# KiCad board rabbit_mask_capacitors.kicad_pcb (continued)
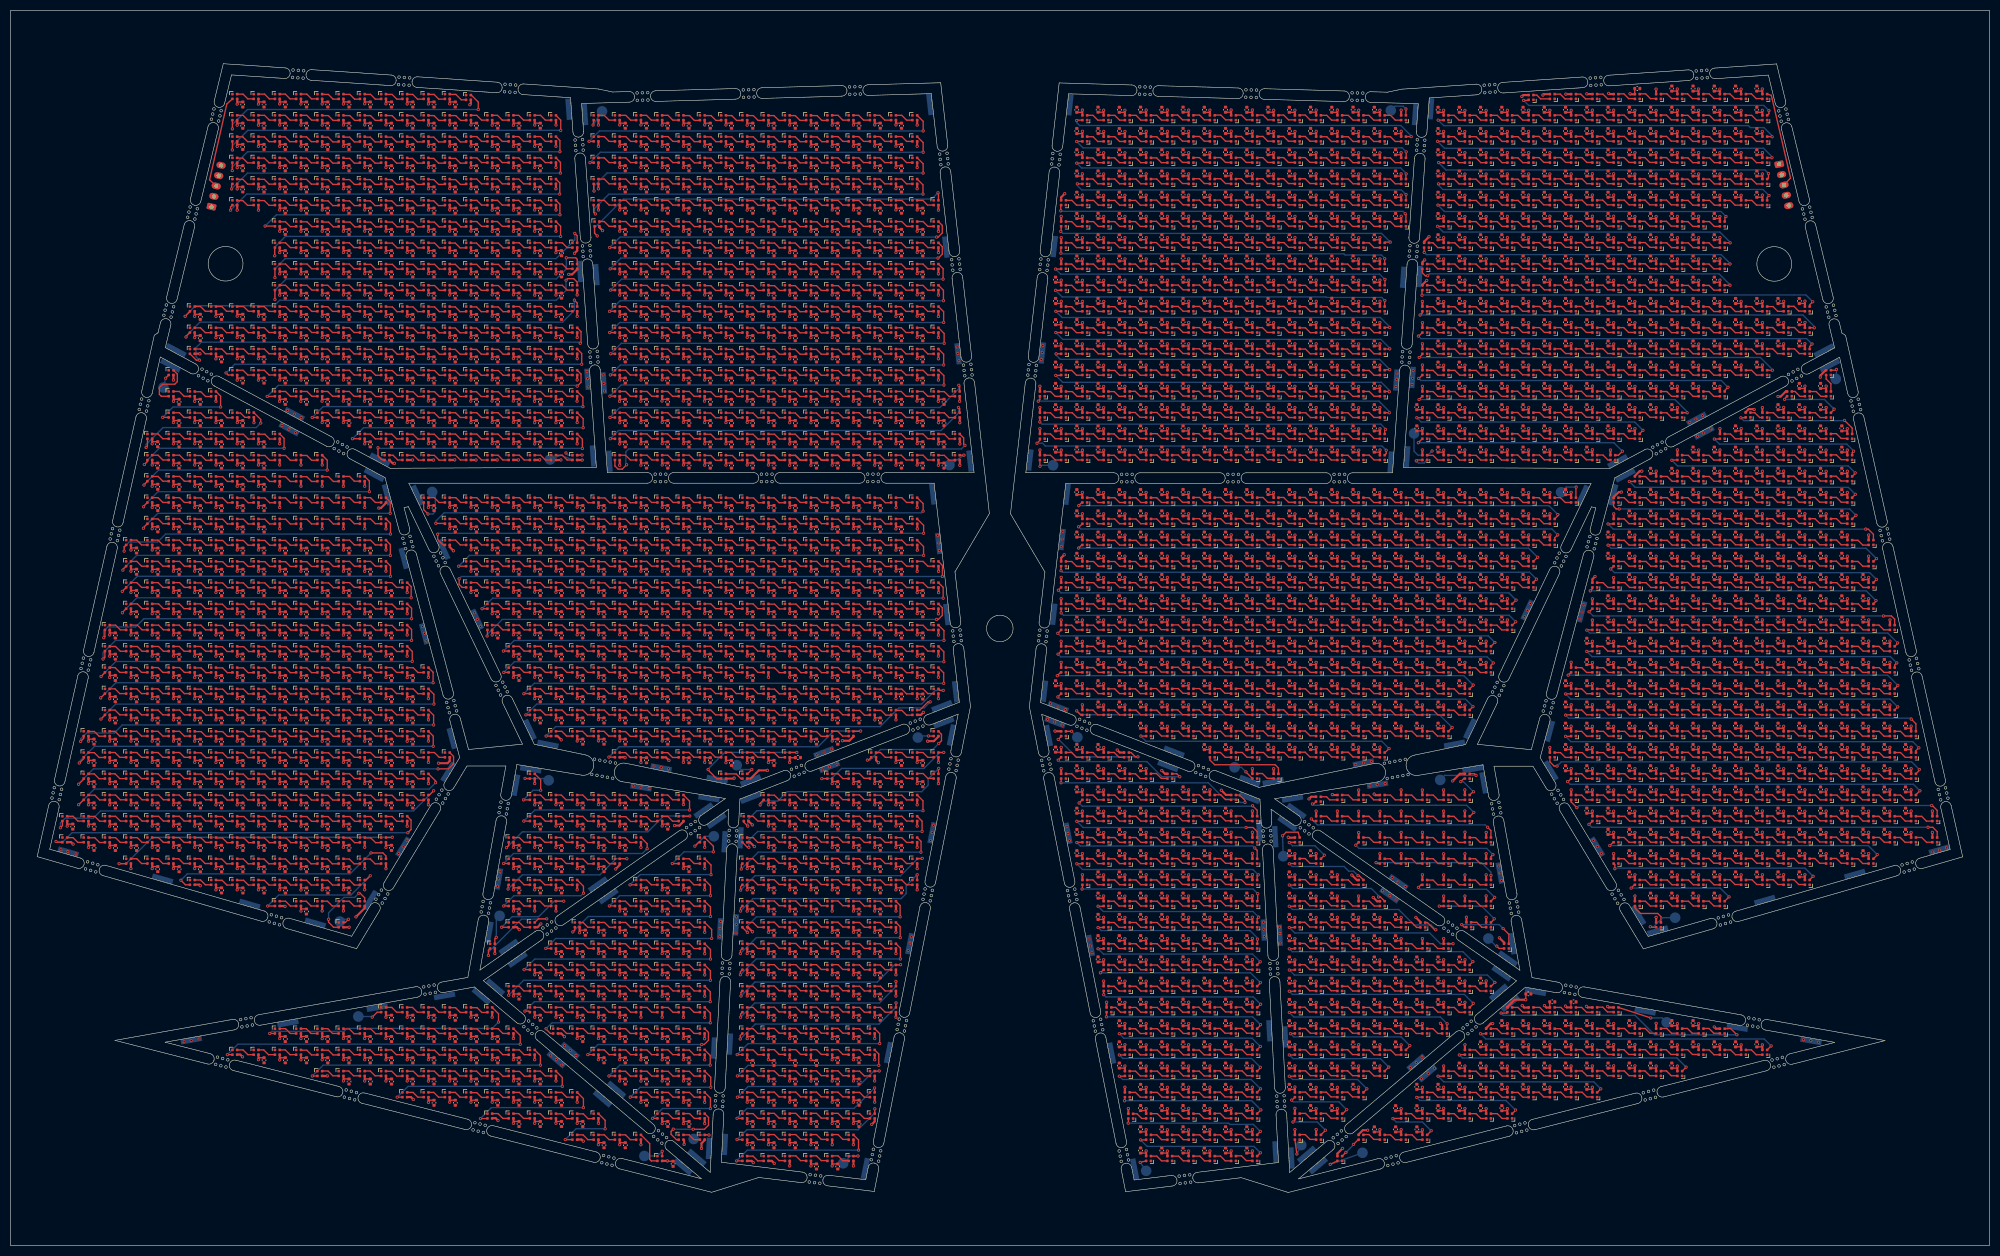
[diagram p0: board, top side]
## Nets (continued)
VCC: C1485.1 C1485#2.1 C1485#3.1 C1485#4.1 C1485#5.1 C1485#6.1 C1485#7.1 C1485#8.1 C1485#9.1 C1485#10.1 C1485#11.1 C1485#12.1 C1485#13.1 C1485#14.1 C1485#15.1 C1485#16.1 C1485#17.1 C1485#18.1 C1485#19.1 C1485#20.1 C1485#21.1 C1485#22.1 C1485#23.1 C1485#24.1 C1485#25.1 C1485#26.1 C1485#27.1 C1485#28.1 C1485#29.1 C1485#30.1 C1485#31.1 C1485#32.1 C1485#33.1 C1485#34.1 C1485#35.1 C1485#36.1 C1485#37.1 C1485#38.1 C1485#39.1 C1485#40.1 C1485#41.1 C1485#42.1 C1485#43.1 C1485#44.1 C1485#45.1 C1485#46.1 C1485#47.1 C1485#48.1 C1485#49.1 C1485#50.1 C1485#51.1 C1485#52.1 C1485#53.1 C1485#54.1 C1485#55.1 C1485#56.1 C1485#57.1 C1485#58.1 C1485#59.1 C1485#60.1 C1485#61.1 C1485#62.1 C1485#63.1 C1485#64.1 C1485#65.1 C1485#66.1 C1485#67.1 C1485#68.1 C1485#69.1 C1485#70.1 C1485#71.1 C1485#72.1 C1485#73.1 C1485#74.1 C1485#75.1 C1485#76.1 C1485#77.1 C1485#78.1 C1485#79.1 C1485#80.1 C1485#81.1 C1485#82.1 C1485#83.1 C1485#84.1 C1485#85.1 C1485#86.1 C1485#87.1 C1485#88.1 C1485#89.1 C1485#90.1 C1485#91.1 C1485#92.1 C1485#93.1 C1485#94.1 C1485#95.1 C1485#96.1 C1485#97.1 C1485#98.1 C1485#99.1 C1485#100.1 C1485#101.1 C1485#102.1 C1485#103.1 C1485#104.1 C1485#105.1 C1485#106.1 C1485#107.1 C1485#108.1 C1485#109.1 C1485#110.1 C1485#111.1 C1485#112.1 C1485#113.1 C1485#114.1 C1485#115.1 C1485#116.1 C1485#117.1 C1485#118.1 C1485#119.1 C1485#120.1 C1485#121.1 C1485#122.1 C1485#123.1 C1485#124.1 C1485#125.1 C1485#126.1 C1485#127.1 C1485#128.1 C1485#129.1 C1485#130.1 C1485#131.1 C1485#132.1 C1485#133.1 C1485#134.1 C1485#135.1 C1485#136.1 C1485#137.1 C1485#138.1 C1485#139.1 C1485#140.1 C1485#141.1 C1485#142.1 C1485#143.1 C1485#144.1 C1485#145.1 C1485#146.1 C1485#147.1 C1485#148.1 C1485#149.1 C1485#150.1 C1485#151.1 C1485#152.1 C1485#153.1 C1485#154.1 C1485#155.1 C1485#156.1 C1485#157.1 C1485#158.1 C1485#159.1 C1485#160.1 C1485#161.1 C1485#162.1 C1485#163.1 C1485#164.1 C1485#165.1 C1485#166.1 C1485#167.1 C1485#168.1 C1485#169.1 C1485#170.1 C1485#171.1 C1485#172.1 C1485#173.1 C1485#174.1 C1485#175.1 C1485#176.1 C1485#177.1 C1485#178.1 C1485#179.1 C1485#180.1 C1485#181.1 C1485#182.1 C1485#183.1 C1485#184.1 C1485#185.1 C1485#186.1 C1485#187.1 C1485#188.1 C1485#189.1 C1485#190.1 C1485#191.1 C1485#192.1 C1485#193.1 C1485#194.1 C1485#195.1 C1485#196.1 C1485#197.1 C1485#198.1 C1485#199.1 C1485#200.1 C1485#201.1 C1485#202.1 C1485#203.1 C1485#204.1 C1485#205.1 C1485#206.1 C1485#207.1 C1485#208.1 C1485#209.1 C1485#210.1 C1485#211.1 C1485#212.1 C1485#213.1 C1485#214.1 C1485#215.1 C1485#216.1 C1485#217.1 C1485#218.1 C1485#219.1 C1485#220.1 C1485#221.1 C1485#222.1 C1485#223.1 C1485#224.1 C1485#225.1 C1485#226.1 C1485#227.1 C1485#228.1 C1485#229.1 C1485#230.1 C1485#231.1 C1485#232.1 C1485#233.1 C1485#234.1 C1485#235.1 C1485#236.1 C1485#237.1 C1485#238.1 C1485#239.1 C1485#240.1 C1485#241.1 C1485#242.1 C1485#243.1 C1485#244.1 C1485#245.1 C1485#246.1 C1485#247.1 C1485#248.1 C1485#249.1 C1485#250.1 C1485#251.1 C1485#252.1 C1485#253.1 C1485#254.1 C1485#255.1 C1485#256.1 C1485#257.1 C1485#258.1 C1485#259.1 C1485#260.1 C1485#261.1 C1485#262.1 C1485#263.1 C1485#264.1 C1485#265.1 C1485#266.1 C1485#267.1 C1485#268.1 C1485#269.1 C1485#270.1 C1485#271.1 C1485#272.1 C1485#273.1 C1485#274.1 C1485#275.1 C1485#276.1 C1485#277.1 C1485#278.1 C1485#279.1 C1485#280.1 C1485#281.1 C1485#282.1 C1485#283.1 C1485#284.1 C1485#285.1 C1485#286.1 C1485#287.1 C1485#288.1 C1485#289.1 C1485#290.1 C1485#291.1 C1485#292.1 C1485#293.1 C1485#294.1 C1485#295.1 C1485#296.1 C1485#297.1 C1485#298.1 C1485#299.1 C1485#300.1 C1485#301.1 C1485#302.1 C1485#303.1 C1485#304.1 C1485#305.1 C1485#306.1 C1485#307.1 C1485#308.1 C1485#309.1 C1485#310.1 C1485#311.1 C1485#312.1 C1485#313.1 C1485#314.1 C1485#315.1 C1485#316.1 C1485#317.1 C1485#318.1 C1485#319.1 C1485#320.1 C1485#321.1 C1485#322.1 C1485#323.1 C1485#324.1 C1485#325.1 C1485#326.1 C1485#327.1 C1485#328.1 C1485#329.1 C1485#330.1 C1485#331.1 C1485#332.1 C1485#333.1 C1485#334.1 C1485#335.1 C1485#336.1 C1485#337.1 C1485#338.1 C1485#339.1 C1485#340.1 C1485#341.1 C1485#342.1 C1485#343.1 C1485#344.1 C1485#345.1 C1485#346.1 C1485#347.1 C1485#348.1 C1485#349.1 C1485#350.1 C1485#351.1 C1485#352.1 C1485#353.1 C1485#354.1 C1485#355.1 C1485#356.1 C1485#357.1 C1485#358.1 C1485#359.1 C1485#360.1 C1485#361.1 C1485#362.1 C1485#363.1 C1485#364.1 C1485#365.1 C1485#366.1 C1485#367.1 C1485#368.1 C1485#369.1 C1485#370.1 C1485#371.1 C1485#372.1 C1485#373.1 C1485#374.1 C1485#375.1 C1485#376.1 C1485#377.1 C1485#378.1 C1485#379.1 C1485#380.1 C1485#381.1 C1485#382.1 C1485#383.1 C1485#384.1 C1485#385.1 C1485#386.1 C1485#387.1 C1485#388.1 C1485#389.1 C1485#390.1 C1485#391.1 C1485#392.1 C1485#393.1 C1485#394.1 C1485#395.1 C1485#396.1 C1485#397.1 C1485#398.1 C1485#399.1 C1485#400.1 C1485#401.1 C1485#402.1 C1485#403.1 C1485#404.1 C1485#405.1 C1485#406.1 C1485#407.1 C1485#408.1 C1485#409.1 C1485#410.1 C1485#411.1 C1485#412.1 C1485#413.1 C1485#414.1 C1485#415.1 C1485#416.1 C1485#417.1 C1485#418.1 C1485#419.1 C1485#420.1 C1485#421.1 C1485#422.1 C1485#423.1 C1485#424.1 C1485#425.1 C1485#426.1 C1485#427.1 C1485#428.1 C1485#429.1 C1485#430.1 C1485#431.1 C1485#432.1 C1485#433.1 C1485#434.1 C1485#435.1 C1485#436.1 C1485#437.1 C1485#438.1 C1485#439.1 C1485#440.1 C1485#441.1 C1485#442.1 C1485#443.1 C1485#444.1 C1485#445.1 C1485#446.1 C1485#447.1 C1485#448.1 C1485#449.1 C1485#450.1 C1485#451.1 C1485#452.1 C1485#453.1 C1485#454.1 C1485#455.1 C1485#456.1 C1485#457.1 C1485#458.1 C1485#459.1 C1485#460.1 C1485#461.1 C1485#462.1 C1485#463.1 C1485#464.1 C1485#465.1 C1485#466.1 C1485#467.1 C1485#468.1 C1485#469.1 C1485#470.1 C1485#471.1 C1485#472.1 C1485#473.1 C1485#474.1 C1485#475.1 C1485#476.1 C1485#477.1 C1485#478.1 C1485#479.1 C1485#480.1 C1485#481.1 C1485#482.1 C1485#483.1 C1485#484.1 C1485#485.1 C1485#486.1 C1485#487.1 C1485#488.1 C1485#489.1 C1485#490.1 C1485#491.1 C1485#492.1 C1485#493.1 C1485#494.1 C1485#495.1 C1485#496.1 C1485#497.1 C1485#498.1 C1485#499.1 C1485#500.1 C1485#501.1 C1485#502.1 C1485#503.1 C1485#504.1 C1485#505.1 C1485#506.1 C1485#507.1 C1485#508.1 C1485#509.1 C1485#510.1 C1485#511.1 C1485#512.1 C1485#513.1 C1485#514.1 C1485#515.1 C1485#516.1 C1485#517.1 C1485#518.1 C1485#519.1 C1485#520.1 C1485#521.1 C1485#522.1 C1485#523.1 C1485#524.1 C1485#525.1 C1485#526.1 C1485#527.1 C1485#528.1 C1485#529.1 C1485#530.1 C1485#531.1 C1485#532.1 C1485#533.1 C1485#534.1 C1485#535.1 C1485#536.1 C1485#537.1 C1485#538.1 C1485#539.1 C1485#540.1 C1485#541.1 C1485#542.1 C1485#543.1 C1485#544.1 C1485#545.1 C1485#546.1 C1485#547.1 C1485#548.1 C1485#549.1 C1485#550.1 C1485#551.1 C1485#552.1 C1485#553.1 C1485#554.1 C1485#555.1 C1485#556.1 C1485#557.1 C1485#558.1 C1485#559.1 C1485#560.1 C1485#561.1 C1485#562.1 C1485#563.1 C1485#564.1 C1485#565.1 C1485#566.1 C1485#567.1 C1485#568.1 C1485#569.1 C1485#570.1 C1485#571.1 C1485#572.1 C1485#573.1 C1485#574.1 C1485#575.1 C1485#576.1 C1485#577.1 C1485#578.1 C1485#579.1 C1485#580.1 C1485#581.1 C1485#582.1 C1485#583.1 C1485#584.1 C1485#585.1 C1485#586.1 C1485#587.1 C1485#588.1 C1485#589.1 C1485#590.1 C1485#591.1 C1485#592.1 C1485#593.1 C1485#594.1 C1485#595.1 C1485#596.1 C1485#597.1 C1485#598.1 C1485#599.1 C1485#600.1 C1485#601.1 C1485#602.1 C1485#603.1 C1485#604.1 C1485#605.1 C1485#606.1 C1485#607.1 C1485#608.1 C1485#609.1 C1485#610.1 C1485#611.1 C1485#612.1 C1485#613.1 C1485#614.1 C1485#615.1 C1485#616.1 C1485#617.1 C1485#618.1 C1485#619.1 C1485#620.1 C1485#621.1 C1485#622.1 C1485#623.1 C1485#624.1 C1485#625.1 C1485#626.1 C1485#627.1 C1485#628.1 C1485#629.1 C1485#630.1 C1485#631.1 C1485#632.1 C1485#633.1 C1485#634.1 C1485#635.1 C1485#636.1 C1485#637.1 C1485#638.1 C1485#639.1 C1485#640.1 C1485#641.1 C1485#642.1 C1485#643.1 C1485#644.1 C1485#645.1 C1485#646.1 C1485#647.1 C1485#648.1 C1485#649.1 C1485#650.1 C1485#651.1 C1485#652.1 C1485#653.1 C1485#654.1 C1485#655.1 C1485#656.1 C1485#657.1 C1485#658.1 C1485#659.1 C1485#660.1 C1485#661.1 C1485#662.1 C1485#663.1 C1485#664.1 C1485#665.1 C1485#666.1 C1485#667.1 C1485#668.1 C1485#669.1 C1485#670.1 C1485#671.1 C1485#672.1 C1485#673.1 C1485#674.1 C1485#675.1 C1485#676.1 C1485#677.1 C1485#678.1 C1485#679.1 C1485#680.1 C1485#681.1 C1485#682.1 C1485#683.1 C1485#684.1 C1485#685.1 C1485#686.1 C1485#687.1 C1485#688.1 C1485#689.1 C1485#690.1 C1485#691.1 C1485#692.1 C1485#693.1 C1485#694.1 C1485#695.1 C1485#696.1 C1485#697.1 C1485#698.1 C1485#699.1 C1485#700.1 C1485#701.1 C1485#702.1 C1485#703.1 C1485#704.1 C1485#705.1 C1485#706.1 C1485#707.1 C1485#708.1 C1485#709.1 C1485#710.1 C1485#711.1 C1485#712.1 C1485#713.1 C1485#714.1 C1485#715.1 C1485#716.1 C1485#717.1 C1485#718.1 C1485#719.1 C1485#720.1 C1485#721.1 C1485#722.1 C1485#723.1 C1485#724.1 C1485#725.1 C1485#726.1 C1485#727.1 C1485#728.1 C1485#729.1 C1485#730.1 C1485#731.1 C1485#732.1 C1485#733.1 C1485#734.1 C1485#735.1 C1485#736.1 C1485#737.1 C1485#738.1 C1485#739.1 C1485#740.1 C1485#741.1 C1485#742.1 C1485#743.1 C1485#744.1 C1485#745.1 C1485#746.1 C1485#747.1 C1485#748.1 C1485#749.1 C1485#750.1 C1485#751.1 C1485#752.1 C1485#753.1 C1485#754.1 C1485#755.1 C1485#756.1 C1485#757.1 C1485#758.1 C1485#759.1 C1485#760.1 C1485#761.1 C1485#762.1 C1485#763.1 C1485#764.1 C1485#765.1 C1485#766.1 C1485#767.1 C1485#768.1 C1485#769.1 C1485#770.1 C1485#771.1 C1485#772.1 C1485#773.1 C1485#774.1 C1485#775.1 C1485#776.1 C1485#777.1 C1485#778.1 C1485#779.1 C1485#780.1 C1485#781.1 C1485#782.1 C1485#783.1 C1485#784.1 C1485#785.1 C1485#786.1 C1485#787.1 C1485#788.1 C1485#789.1 C1485#790.1 C1485#791.1 C1485#792.1 C1485#793.1 C1485#794.1 C1485#795.1 C1485#796.1 C1485#797.1 C1485#798.1 C1485#799.1 C1485#800.1 C1485#801.1 C1485#802.1 C1485#803.1 C1485#804.1 C1485#805.1 C1485#806.1 C1485#807.1 C1485#808.1 C1485#809.1 C1485#810.1 C1485#811.1 C1485#812.1 C1485#813.1 C1485#814.1 C1485#815.1 C1485#816.1 C1485#817.1 C1485#818.1 C1485#819.1 C1485#820.1 C1485#821.1 C1485#822.1 C1485#823.1 C1485#824.1 C1485#825.1 C1485#826.1 C1485#827.1 C1485#828.1 C1485#829.1 C1485#830.1 C1485#831.1 C1485#832.1 C1485#833.1 C1485#834.1 C1485#835.1 C1485#836.1 C1485#837.1 C1485#838.1 C1485#839.1 C1485#840.1 C1485#841.1 C1485#842.1 C1485#843.1 C1485#844.1 C1485#845.1 C1485#846.1 C1485#847.1 C1485#848.1 C1485#849.1 C1485#850.1 C1485#851.1 C1485#852.1 C1485#853.1 C1485#854.1 C1485#855.1 C1485#856.1 C1485#857.1 C1485#858.1 C1485#859.1 C1485#860.1 C1485#861.1 C1485#862.1 C1485#863.1 C1485#864.1 C1485#865.1 C1485#866.1 C1485#867.1 C1485#868.1 C1485#869.1 C1485#870.1 C1485#871.1 C1485#872.1 C1485#873.1 C1485#874.1 C1485#875.1 C1485#876.1 C1485#877.1 C1485#878.1 C1485#879.1 C1485#880.1 C1485#881.1 C1485#882.1 C1485#883.1 C1485#884.1 C1485#885.1 C1485#886.1 C1485#887.1 C1485#888.1 C1485#889.1 C1485#890.1 C1485#891.1 C1485#892.1 C1485#893.1 C1485#894.1 C1485#895.1 C1485#896.1 C1485#897.1 C1485#898.1 C1485#899.1 C1485#900.1 C1485#901.1 C1485#902.1 C1485#903.1 C1485#904.1 C1485#905.1 C1485#906.1 C1485#907.1 C1485#908.1 C1485#909.1 C1485#910.1 C1485#911.1 C1485#912.1 C1485#913.1 C1485#914.1 C1485#915.1 C1485#916.1 C1485#917.1 C1485#918.1 C1485#919.1 C1485#920.1 C1485#921.1 C1485#922.1 C1485#923.1 C1485#924.1 C1485#925.1 C1485#926.1 C1485#927.1 C1485#928.1 C1485#929.1 C1485#930.1 C1485#931.1 C1485#932.1 C1485#933.1 C1485#934.1 C1485#935.1 C1485#936.1 C1485#937.1 C1485#938.1 C1485#939.1 C1485#940.1 C1485#941.1 C1485#942.1 C1485#943.1 C1485#944.1 C1485#945.1 C1485#946.1 C1485#947.1 C1485#948.1 C1485#949.1 C1485#950.1 C1485#951.1 C1485#952.1 C1485#953.1 C1485#954.1 C1485#955.1 C1485#956.1 C1485#957.1 C1485#958.1 C1485#959.1 C1485#960.1 C1485#961.1 C1485#962.1 C1485#963.1 C1485#964.1 C1485#965.1 C1485#966.1 C1485#967.1 C1485#968.1 C1485#969.1 C1485#970.1 C1485#971.1 C1485#972.1 C1485#973.1 C1485#974.1 C1485#975.1 C1485#976.1 C1485#977.1 C1485#978.1 C1485#979.1 C1485#980.1 C1485#981.1 C1485#982.1 C1485#983.1 C1485#984.1 C1485#985.1 C1485#986.1 C1485#987.1 C1485#988.1 C1485#989.1 C1485#990.1 C1485#991.1 C1485#992.1 C1485#993.1 C1485#994.1 C1485#995.1 C1485#996.1 C1485#997.1 C1485#998.1 C1485#999.1 C1485#1000.1 C1485#1001.1 C1485#1002.1 C1485#1003.1 C1485#1004.1 C1485#1005.1 C1485#1006.1 C1485#1007.1 C1485#1008.1 C1485#1009.1 C1485#1010.1 C1485#1011.1 C1485#1012.1 C1485#1013.1 C1485#1014.1 C1485#1015.1 C1485#1016.1 C1485#1017.1 C1485#1018.1 C1485#1019.1 C1485#1020.1 C1485#1021.1 C1485#1022.1 C1485#1023.1 C1485#1024.1 C1485#1025.1 C1485#1026.1 C1485#1027.1 C1485#1028.1 C1485#1029.1 C1485#1030.1 C1485#1031.1 C1485#1032.1 C1485#1033.1 C1485#1034.1 C1485#1035.1 C1485#1036.1 C1485#1037.1 C1485#1038.1 C1485#1039.1 C1485#1040.1 C1485#1041.1 C1485#1042.1 C1485#1043.1 C1485#1044.1 C1485#1045.1 C1485#1046.1 C1485#1047.1 C1485#1048.1 C1485#1049.1 C1485#1050.1 C1485#1051.1 C1485#1052.1 C1485#1053.1 C1485#1054.1 C1485#1055.1 C1485#1056.1 C1485#1057.1 C1485#1058.1 C1485#1059.1 C1485#1060.1 C1485#1061.1 C1485#1062.1 C1485#1063.1 C1485#1064.1 C1485#1065.1 C1485#1066.1 C1485#1067.1 C1485#1068.1 C1485#1069.1 C1485#1070.1 C1485#1071.1 C1485#1072.1 C1485#1073.1 C1485#1074.1 C1485#1075.1 C1485#1076.1 C1485#1077.1 C1485#1078.1 C1485#1079.1 C1485#1080.1 C1485#1081.1 C1485#1082.1 C1485#1083.1 C1485#1084.1 C1485#1085.1 C1485#1086.1 C1485#1087.1 C1485#1088.1 C1485#1089.1 C1485#1090.1 C1485#1091.1 C1485#1092.1 C1485#1093.1 C1485#1094.1 C1485#1095.1 C1485#1096.1 C1485#1097.1 C1485#1098.1 C1485#1099.1 C1485#1100.1 C1485#1101.1 C1485#1102.1 C1485#1103.1 C1485#1104.1 C1485#1105.1 C1485#1106.1 C1485#1107.1 C1485#1108.1 C1485#1109.1 C1485#1110.1 C1485#1111.1 C1485#1112.1 C1485#1113.1 C1485#1114.1 C1485#1115.1 C1485#1116.1 C1485#1117.1 C1485#1118.1 C1485#1119.1 C1485#1120.1 C1485#1121.1 C1485#1122.1 C1485#1123.1 C1485#1124.1 C1485#1125.1 C1485#1126.1 C1485#1127.1 C1485#1128.1 C1485#1129.1 C1485#1130.1 C1485#1131.1 C1485#1132.1 C1485#1133.1 C1485#1134.1 C1485#1135.1 C1485#1136.1 C1485#1137.1 C1485#1138.1 C1485#1139.1 C1485#1140.1 C1485#1141.1 C1485#1142.1 C1485#1143.1 C1485#1144.1 C1485#1145.1 C1485#1146.1 C1485#1147.1 C1485#1148.1 C1485#1149.1 C1485#1150.1 C1485#1151.1 C1485#1152.1 C1485#1153.1 C1485#1154.1 C1485#1155.1 C1485#1156.1 C1485#1157.1 C1485#1158.1 C1485#1159.1 C1485#1160.1 C1485#1161.1 C1485#1162.1 C1485#1163.1 C1485#1164.1 C1485#1165.1 C1485#1166.1 C1485#1167.1 C1485#1168.1 C1485#1169.1 C1485#1170.1 C1485#1171.1 C1485#1172.1 C1485#1173.1 C1485#1174.1 C1485#1175.1 C1485#1176.1 C1485#1177.1 C1485#1178.1 C1485#1179.1 C1485#1180.1 C1485#1181.1 C1485#1182.1 C1485#1183.1 C1485#1184.1 C1485#1185.1 C1485#1186.1 C1485#1187.1 C1485#1188.1 C1485#1189.1 C1485#1190.1 C1485#1191.1 C1485#1192.1 C1485#1193.1 C1485#1194.1 C1485#1195.1 C1485#1196.1 C1485#1197.1 C1485#1198.1 C1485#1199.1 C1485#1200.1 C1485#1201.1 C1485#1202.1 C1485#1203.1 C1485#1204.1 C1485#1205.1 C1485#1206.1 C1485#1207.1 C1485#1208.1 C1485#1209.1 C1485#1210.1 C1485#1211.1 C1485#1212.1 C1485#1213.1 C1485#1214.1 C1485#1215.1 C1485#1216.1 C1485#1217.1 C1485#1218.1 C1485#1219.1 C1485#1220.1 C1485#1221.1 C1485#1222.1 C1485#1223.1 C1485#1224.1 C1485#1225.1 C1485#1226.1 C1485#1227.1 C1485#1228.1 C1485#1229.1 C1485#1230.1 C1485#1231.1 C1485#1232.1 C1485#1233.1 C1485#1234.1 C1485#1235.1 C1485#1236.1 C1485#1237.1 C1485#1238.1 C1485#1239.1 C1485#1240.1 C1485#1241.1 C1485#1242.1 C1485#1243.1 C1485#1244.1 C1485#1245.1 C1485#1246.1 C1485#1247.1 C1485#1248.1 C1485#1249.1 C1485#1250.1 C1485#1251.1 C1485#1252.1 C1485#1253.1 C1485#1254.1 C1485#1255.1 C1485#1256.1 C1485#1257.1 C1485#1258.1 C1485#1259.1 C1485#1260.1 C1485#1261.1 C1485#1262.1 C1485#1263.1 C1485#1264.1 C1485#1265.1 C1485#1266.1 C1485#1267.1 C1485#1268.1 C1485#1269.1 C1485#1270.1 C1485#1271.1 C1485#1272.1 C1485#1273.1 C1485#1274.1 C1485#1275.1 C1485#1276.1 C1485#1277.1 C1485#1278.1 C1485#1279.1 C1485#1280.1 C1485#1281.1 C1485#1282.1 C1485#1283.1 C1485#1284.1 C1485#1285.1 C1485#1286.1 C1485#1287.1 C1485#1288.1 C1485#1289.1 C1485#1290.1 C1485#1291.1 C1485#1292.1 C1485#1293.1 C1485#1294.1 C1485#1295.1 C1485#1296.1 C1485#1297.1 C1485#1298.1 C1485#1299.1 C1485#1300.1 C1485#1301.1 C1485#1302.1 C1485#1303.1 C1485#1304.1 C1485#1305.1 C1485#1306.1 C1485#1307.1 C1485#1308.1 C1485#1309.1 C1485#1310.1 C1485#1311.1 C1485#1312.1 C1485#1313.1 C1485#1314.1 C1485#1315.1 C1485#1316.1 C1485#1317.1 C1485#1318.1 C1485#1319.1 C1485#1320.1 C1485#1321.1 C1485#1322.1 C1485#1323.1 C1485#1324.1 C1485#1325.1 C1485#1326.1 C1485#1327.1 C1485#1328.1 C1485#1329.1 C1485#1330.1 C1485#1331.1 C1485#1332.1 C1485#1333.1 C1485#1334.1 C1485#1335.1 C1485#1336.1 C1485#1337.1 C1485#1338.1 C1485#1339.1 C1485#1340.1 C1485#1341.1 C1485#1342.1 C1485#1343.1 C1485#1344.1 C1485#1345.1 C1485#1346.1 C1485#1347.1 C1485#1348.1 C1485#1349.1 C1485#1350.1 C1485#1351.1 C1485#1352.1 C1485#1353.1 C1485#1354.1 C1485#1355.1 C1485#1356.1 C1485#1357.1 C1485#1358.1 C1485#1359.1 C1485#1360.1 C1485#1361.1 C1485#1362.1 C1485#1363.1 C1485#1364.1 C1485#1365.1 C1485#1366.1 C1485#1367.1 C1485#1368.1 C1485#1369.1 C1485#1370.1 C1485#1371.1 C1485#1372.1 C1485#1373.1 C1485#1374.1 C1485#1375.1 C1485#1376.1 C1485#1377.1 C1485#1378.1 C1485#1379.1 C1485#1380.1 C1485#1381.1 C1485#1382.1 C1485#1383.1 C1485#1384.1 C1485#1385.1 C1485#1386.1 C1485#1387.1 C1485#1388.1 C1485#1389.1 C1485#1390.1 C1485#1391.1 C1485#1392.1 C1485#1393.1 C1485#1394.1 C1485#1395.1 C1485#1396.1 C1485#1397.1 C1485#1398.1 C1485#1399.1 C1485#1400.1 C1485#1401.1 C1485#1402.1 C1485#1403.1 C1485#1404.1 C1485#1405.1 C1485#1406.1 C1485#1407.1 C1485#1408.1 C1485#1409.1 C1485#1410.1 C1485#1411.1 C1485#1412.1 C1485#1413.1 C1485#1414.1 C1485#1415.1 C1485#1416.1 C1485#1417.1 C1485#1418.1 C1485#1419.1 C1485#1420.1 C1485#1421.1 C1485#1422.1 C1485#1423.1 C1485#1424.1 C1485#1425.1 C1485#1426.1 C1485#1427.1 C1485#1428.1 C1485#1429.1 C1485#1430.1 C1485#1431.1 C1485#1432.1 C1485#1433.1 C1485#1434.1 C1485#1435.1 C1485#1436.1 C1485#1437.1 C1485#1438.1 C1485#1439.1 C1485#1440.1 C1485#1441.1 C1485#1442.1 C1485#1443.1 C1485#1444.1 C1485#1445.1 C1485#1446.1 C1485#1447.1 C1485#1448.1 C1485#1449.1 C1485#1450.1 C1485#1451.1 C1485#1452.1 C1485#1453.1 C1485#1454.1 C1485#1455.1 C1485#1456.1 C1485#1457.1 C1485#1458.1 C1485#1459.1 C1485#1460.1 C1485#1461.1 C1485#1462.1 C1485#1463.1 C1485#1464.1 C1485#1465.1 C1485#1466.1 C1485#1467.1 C1485#1468.1 C1485#1469.1 C1485#1470.1 C1485#1471.1 C1485#1472.1 C1485#1473.1 C1485#1474.1 C1485#1475.1 C1485#1476.1 C1485#1477.1 C1485#1478.1 C1485#1479.1 C1485#1480.1 C1485#1481.1 C1485#1482.1 C1485#1483.1 C1485#1484.1 C1485#1485.1 C1485#1486.1 C1485#1487.1 C1485#1488.1 C1485#1489.1 C1485#1490.1 C1485#1491.1 C1485#1492.1 C1485#1493.1 C1485#1494.1 C1485#1495.1 C1485#1496.1 C1485#1497.1 C1485#1498.1 C1485#1499.1 C1485#1500.1 C1485#1501.1 C1485#1502.1 C1485#1503.1 C1485#1504.1 C1485#1505.1 C1485#1506.1 C1485#1507.1 C1485#1508.1 C1485#1509.1 C1485#1510.1 C1485#1511.1 C1485#1512.1 C1485#1513.1 C1485#1514.1 C1485#1515.1 C1485#1516.1 C1485#1517.1 C1485#1518.1 C1485#1519.1 C1485#1520.1 C1485#1521.1 C1485#1522.1 C1485#1523.1 C1485#1524.1 C1485#1525.1 C1485#1526.1 C1485#1527.1 C1485#1528.1 C1485#1529.1 C1485#1530.1 C1485#1531.1 C1485#1532.1 C1485#1533.1 C1485#1534.1 C1485#1535.1 C1485#1536.1 C1485#1537.1 C1485#1538.1 C1485#1539.1 C1485#1540.1 C1485#1541.1 C1485#1542.1 C1485#1543.1 C1485#1544.1 C1485#1545.1 C1485#1546.1 C1485#1547.1 C1485#1548.1 C1485#1549.1 C1485#1550.1 C1485#1551.1 C1485#1552.1 C1485#1553.1 C1485#1554.1 C1485#1555.1 C1485#1556.1 C1485#1557.1 C1485#1558.1 C1485#1559.1 C1485#1560.1 C1485#1561.1 C1485#1562.1 C1485#1563.1 C1485#1564.1 C1485#1565.1 C1485#1566.1 C1485#1567.1 C1485#1568.1 C1485#1569.1 C1485#1570.1 C1485#1571.1 C1485#1572.1 C1485#1573.1 C1485#1574.1 C1485#1575.1 C1485#1576.1 C1485#1577.1 C1485#1578.1 C1485#1579.1 C1485#1580.1 C1485#1581.1 C1485#1582.1 C1485#1583.1 C1485#1584.1 C1485#1585.1 C1485#1586.1 C1485#1587.1 C1485#1588.1 C1485#1589.1 C1485#1590.1 C1485#1591.1 C1485#1592.1 C1485#1593.1 C1485#1594.1 C1485#1595.1 C1485#1596.1 C1485#1597.1 C1485#1598.1 C1485#1599.1 C1485#1600.1 C1485#1601.1 C1485#1602.1 C1485#1603.1 C1485#1604.1 C1485#1605.1 C1485#1606.1 C1485#1607.1 C1485#1608.1 C1485#1609.1 C1485#1610.1 C1485#1611.1 C1485#1612.1 C1485#1613.1 C1485#1614.1 C1485#1615.1 C1485#1616.1 C1485#1617.1 C1485#1618.1 C1485#1619.1 C1485#1620.1 C1485#1621.1 C1485#1622.1 C1485#1623.1 C1485#1624.1 